# Altium PCB PDU-UV17.PcbDoc (part 1 of 2) (continued)
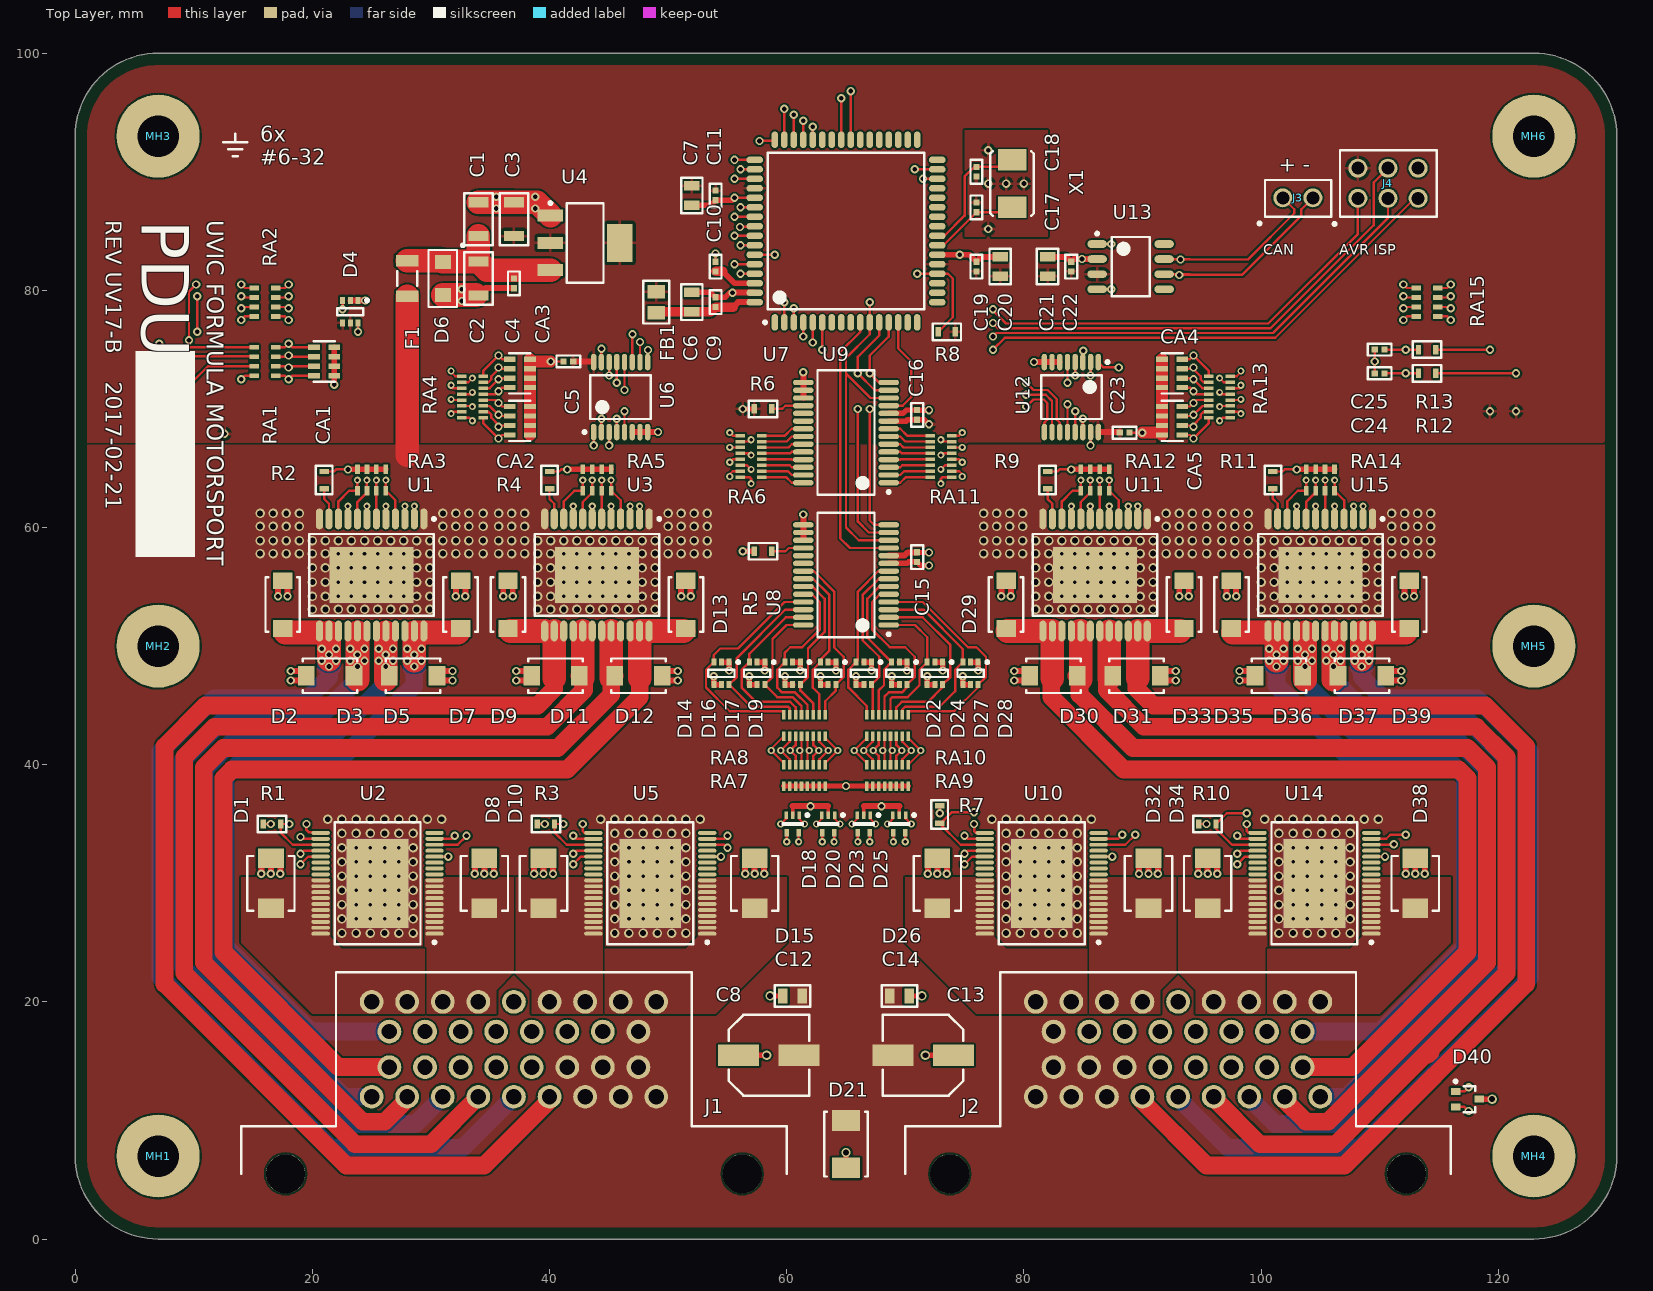
[diagram p0: Top Layer view]
## Footprints (in the part's own frame and the unit in brackets; to place one, negate y for a bottom-side part, rotate by r counter-clockwise, add the part's x,y. Pads: shape width x height; smd on the part's side, far side on the other; paste and mask are expansions set on the pad) (continued)
  silkscreen extent -3.35,-2.28 2.83,1.5, body extent -2.51,-1.3 2.57,1.2, height 7.13
MH-6-32 [mm] "#6-32 mounting hole"
  round 7 hole 3.5: 1(0,0)
QFN200P500X320X135-2N [mm] "QFN, 2-Leads, Body 5.00x3.20mm, Pitch 2.00mm, IPC Medium Density"
  rect 1.8x2.4 smd: 1(-2,0) 2(2,0)
  silkscreen extent -2.72,-1.82 2.72,1.82, body extent -2.58,-1.68 2.57,1.67, height 1.35
RES-0603-M [mm] "Chip Resistor, 2-Leads, Body 1.60x0.80mm, IPC High Density"
  rect 0.45x0.8 smd: 1(-0.725,0) 2(0.725,0)
  silkscreen extent -1.2,-0.7 1.2,0.7, body extent -0.85,-0.45 0.85,0.45, height 0.55
SM6T [mm] "Molded Capacitor, 2-Leads, Body 4.32x3.63mm, IPC Medium Density"
  rect 1.62x2.18 smd: 1(-2.11,0) 2(2.11,0)
  silkscreen extent -2.3,-2 2.3,2, body extent -2.52,-1.97 2.52,1.97, height 2.65
SODFL340X115-2N [mm] "SODFL, 2-Leads, Body 1.75x3.40mm, IPC Medium Density"
  rect 1.2x1.35 smd: 1(-1.4,0) 2(1.4,0)
  silkscreen extent -2.92,-1.2 2.4,1.83, body extent -1.7,-0.9 1.7,0.9, height 1.15
SOIC127P600X175-8M [mm] "SOIC, 8-Leads, Body 4.90x3.90mm, Pitch 1.27mm, IPC Low Density"
  oval 1.65x0.65 smd: 1(-2.825,1.905) 2(-2.825,0.635) 3(-2.825,-0.635) 4(-2.825,-1.905) 5(2.825,-1.905) 6(2.825,-0.635) 7(2.825,0.635) 8(2.825,1.905)
  silkscreen extent -2.95,-2.5 1.6,2.9, body extent -3,-2.5 3,2.5, height 1.75
SON127P500X135-2N [mm] "SON, 2-Leads, Body 3.20x5.00mm, Pitch 1.27mm, IPC Medium Density"
  rect 1.75x2.4 smd: 1(-1.995,0) 2(1.995,0)
  silkscreen extent -2.73,-1.83 2.73,1.83, body extent -2.58,-1.68 2.58,1.68, height 1.35
SOP65P780X185-28N [mm] "SOP, 28-Leads, Body 10.20x5.30mm, Pitch 0.65mm, IPC Medium Density"
  oval 1.75x0.45 smd: 1(-3.6,4.225) 2(-3.6,3.575) 3(-3.6,2.925) 4(-3.6,2.275) 5(-3.6,1.625) 6(-3.6,0.975) 7(-3.6,0.325) 8(-3.6,-0.325) 9(-3.6,-0.975) 10(-3.6,-1.625) 11(-3.6,-2.275) 12(-3.6,-2.925) 13(-3.6,-3.575) 14(-3.6,-4.225) 15(3.6,-4.225) 16(3.6,-3.575) 17(3.6,-2.925) 18(3.6,-2.275) 19(3.6,-1.625) 20(3.6,-0.975) 21(3.6,-0.325) 22(3.6,0.325) 23(3.6,0.975) 24(3.6,1.625) 25(3.6,2.275) 26(3.6,2.925) 27(3.6,3.575) 28(3.6,4.225)
  silkscreen extent -3.73,-5.25 2.4,5.25, body extent -3.9,-5.25 3.9,5.25, height 1.85
SOP80P1030X245_HS-25N [mm] "SOP, 24-Leads, Body 10.30x7.50mm, Pitch 0.80mm, Thermal Pad 7.10x4.70mm, IPC Medium Density"
  oval 1.75x0.6 smd: 1(-4.725,4.4) 2(-4.725,3.6) 3(-4.725,2.8) 4(-4.725,2) 5(-4.725,1.2) 6(-4.725,0.4) 7(-4.725,-0.4) 8(-4.725,-1.2) 9(-4.725,-2) 10(-4.725,-2.8) 11(-4.725,-3.6) 12(-4.725,-4.4) 13(4.725,-4.4) 14(4.725,-3.6) 15(4.725,-2.8) 16(4.725,-2) 17(4.725,-1.2) 18(4.725,-0.4) 19(4.725,0.4) 20(4.725,1.2) 21(4.725,2) 22(4.725,2.8) 23(4.725,3.6) 24(4.725,4.4)
  rect 4.7x7.1 smd: 25(0,0)
  Bottom Layer region: -2.4,-3.6 2.4,-3.6 2.4,3.6 -2.4,3.6
  silkscreen extent -4.85,-5.25 3.45,5.38, body extent -5.15,-5.25 5.15,5.25, height 2.45
SOT65P210X110-3N [mm] "SOT23, 3-Leads, Body 2.00x2.10mm, Pitch 0.65mm, IPC Medium Density"
  rect 0.8x0.6 smd: 1(-1,0.65) 2(-1,-0.65) 3(1,0)
  silkscreen extent -1.12,-1.1 0.67,1.62, body extent -1.15,-1.1 1.15,1.1, height 1.1
SOT65P210X110-6N [mm] "SOT23, 6-Leads, Body 2.00x2.10mm, Pitch 0.65mm, IPC Medium Density"
  rect 0.6x0.42 smd: 1(-0.95,0.65) 2(-0.95,0) 3(-0.95,-0.65) 4(0.95,-0.65) 5(0.95,0) 6(0.95,0.65)
  silkscreen extent -1.07,-1.1 0.3,1.54, body extent -1.1,-1.1 1.1,1.1, height 1.1
SOT230P700X180-4N [mm] "SOT223, 4-Leads, Body 6.50x7.00mm (avg), Pitch 2.30mm, IPC Medium Density"
  rect 2.15x1 smd: 1(-2.925,2.3) 2(-2.925,0) 3(-2.925,-2.3)
  rect 2.15x3.2 smd: 4(2.925,0)
  silkscreen extent -3.05,-3.35 1.55,3.47, body extent -3.5,-3.35 3.5,3.35, height 1.8
SOTFL50P160X60-5N [mm] "SOTFL, 5-Leads, Body 1.60x1.60mm, Pitch 0.50mm, IPC Medium Density"
  rect 0.65x0.3 smd: 1(-0.75,0.55) 2(-0.75,0) 3(-0.75,-0.55)
  rect 0.65x0.375 smd: 4(0.75,-0.5) 5(0.75,0.5)
  silkscreen extent -0.87,-0.85 0.05,1.36, body extent -0.8,-0.85 0.8,0.85, height 0.6
SSOP50P1030X265_HS-37N [mm] "SSOP, 36-Leads, Body 10.30x7.50mm, Pitch 0.50mm, Thermal Pad 7.50x5.20mm, IPC Medium Density"
  oval 1.55x0.33 smd: 1(-4.8,4.25) 2(-4.8,3.75) 3(-4.8,3.25) 4(-4.8,2.75) 5(-4.8,2.25) 6(-4.8,1.75) 7(-4.8,1.25) 8(-4.8,0.75) 9(-4.8,0.25) 10(-4.8,-0.25) 11(-4.8,-0.75) 12(-4.8,-1.25) 13(-4.8,-1.75) 14(-4.8,-2.25) 15(-4.8,-2.75) 16(-4.8,-3.25) 17(-4.8,-3.75) 18(-4.8,-4.25) 19(4.8,-4.25) 20(4.8,-3.75) 21(4.8,-3.25) 22(4.8,-2.75) 23(4.8,-2.25) 24(4.8,-1.75) 25(4.8,-1.25) 26(4.8,-0.75) 27(4.8,-0.25) 28(4.8,0.25) 29(4.8,0.75) 30(4.8,1.25) 31(4.8,1.75) 32(4.8,2.25) 33(4.8,2.75) 34(4.8,3.25) 35(4.8,3.75) 36(4.8,4.25)
  rect 5.2x7.5 smd: 37(0,0)
  Bottom Layer region: -2.7,-3.8 2.7,-3.8 2.7,3.8 -2.7,3.8
  silkscreen extent -4.93,-5.15 3.62,5.15, body extent -5.15,-5.15 5.15,5.15, height 2.65
TQFP80P1600X1600X120-64N [mm] "TQFP, 64-Leads, Body 14.00x14.00mm, Pitch 0.80mm, IPC Medium Density"
  oval 1.4x0.55 smd: 1(-7.7,6) 2(-7.7,5.2) 3(-7.7,4.4) 4(-7.7,3.6) 5(-7.7,2.8) 6(-7.7,2) 7(-7.7,1.2) 8(-7.7,0.4) 9(-7.7,-0.4) 10(-7.7,-1.2) 11(-7.7,-2) 12(-7.7,-2.8) 13(-7.7,-3.6) 14(-7.7,-4.4) 15(-7.7,-5.2) 16(-7.7,-6) 33(7.7,-6) 34(7.7,-5.2) 35(7.7,-4.4) 36(7.7,-3.6) 37(7.7,-2.8) 38(7.7,-2) 39(7.7,-1.2) 40(7.7,-0.4) 41(7.7,0.4) 42(7.7,1.2) 43(7.7,2) 44(7.7,2.8) 45(7.7,3.6) 46(7.7,4.4) 47(7.7,5.2) 48(7.7,6)
  oval 0.55x1.4 smd: 17(-6,-7.7) 18(-5.2,-7.7) 19(-4.4,-7.7) 20(-3.6,-7.7) 21(-2.8,-7.7) 22(-2,-7.7) 23(-1.2,-7.7) 24(-0.4,-7.7) 25(0.4,-7.7) 26(1.2,-7.7) 27(2,-7.7) 28(2.8,-7.7) 29(3.6,-7.7) 30(4.4,-7.7) 31(5.2,-7.7) 32(6,-7.7) 49(6,7.7) 50(5.2,7.7) 51(4.4,7.7) 52(3.6,7.7) 53(2.8,7.7) 54(2,7.7) 55(1.2,7.7) 56(0.4,7.7) 57(-0.4,7.7) 58(-1.2,7.7) 59(-2,7.7) 60(-2.8,7.7) 61(-3.6,7.7) 62(-4.4,7.7) 63(-5.2,7.7) 64(-6,7.7)
  silkscreen extent -7.82,-6.6 6.6,6.95, body extent -8,-8 8,8, height 1.2
TSOP65P640X120-16N [mm] "TSOP, 16-Leads, Body 5.00x4.40mm, Pitch 0.65mm, IPC Medium Density"
  oval 1.4x0.45 smd: 1(-2.95,2.275) 2(-2.95,1.625) 3(-2.95,0.975) 4(-2.95,0.325) 5(-2.95,-0.325) 6(-2.95,-0.975) 7(-2.95,-1.625) 8(-2.95,-2.275) 9(2.95,-2.275) 10(2.95,-1.625) 11(2.95,-0.975) 12(2.95,-0.325) 13(2.95,0.325) 14(2.95,0.975) 15(2.95,1.625) 16(2.95,2.275)
  silkscreen extent -3.07,-2.55 1.85,3.17, body extent -3.2,-2.55 3.2,2.55, height 1.2

## Part data
C1 C2: library part CC1206KKX7R8BB106, Manufacturer=Yageo, Manufacturer Series=CC, Package=1206, Supplier Part Number 1=311-1959-1-ND, Temperature Coefficient=X7R, Temperature Range="-55°C ~ 125°C", Tolerance=±10%, Voltage=25V, Component Type=Standard, Part Number=CC1206KKX7R8BB106, Supplier 1=Digi-Key
C3: library part CC1206KKX7R6BB226, Manufacturer=Yageo, Manufacturer Series=CC, Package=1206, Supplier Part Number 1=311-1954-1-ND, Temperature Coefficient=X7R, Temperature Range="-55°C ~ 125°C", Tolerance=±10%, Voltage=10V, Component Type=Standard, Part Number=CC1206KKX7R6BB226, Supplier 1=Digi-Key
C4: library part CC0402KRX7R8BB104, Manufacturer=Yageo, Manufacturer Series=CC, Package=0402, Supplier Part Number 1=311-2077-1-ND, Temperature Coefficient=X7R, Temperature Range="-55°C ~ 125°C", Tolerance=±10%, Voltage=25V, Component Type=Standard, Part Number=CC0402KRX7R8BB104, Supplier 1=Digi-Key
C5 C9 C10 C11 C15 C16 C19 C22 C23: library part CC0402KRX7R7BB104, Manufacturer=Yageo, Manufacturer Series=CC, Package=0402, Supplier Part Number 1=311-1338-1-ND, Temperature Coefficient=X7R, Temperature Range="-55°C ~ 125°C", Tolerance=±10%, Voltage=16V, Component Type=Standard, Part Number=CC0402KRX7R7BB104, Supplier 1=Digi-Key
C6 C7 C20 C21: library part CC0805KKX7R7BB105, Manufacturer=Yageo, Manufacturer Series=CC, Package=0805, Supplier Part Number 1=311-1365-1-ND, Temperature Coefficient=X7R, Temperature Range="-55°C ~ 125°C", Tolerance=±10%, Voltage=16V, Component Type=Standard, Part Number=CC0805KKX7R7BB105, Supplier 1=Digi-Key
C8 C13: Supplier Part Number 1=PCE3836CT-ND, Supplier 1=Digi-Key
C12 C14: library part CC0805KRX7RYBB102, Manufacturer=Yageo, Manufacturer Series=CC, Package=0805, Supplier Part Number 1=311-1470-1-ND, Temperature Coefficient=X7R, Temperature Range="-55°C ~ 125°C", Tolerance=±10%, Voltage=250V, Component Type=Standard, Part Number=CC0805KRX7RYBB102, Supplier 1=Digi-Key
C17 C18: library part CC0402JRNPO9BN120, Manufacturer=Yageo, Manufacturer Series=CC, Package=0402, Supplier Part Number 1=311-1016-1-ND, Temperature Coefficient="C0G, NP0", Temperature Range="-55°C ~ 125°C", Tolerance=±5%, Voltage=50V, Component Type=Standard, Part Number=CC0402JRNPO9BN120, Supplier 1=Digi-Key
C24 C25: library part CC0402KRX7R7BB103, Manufacturer=Yageo, Manufacturer Series=CC, Package=0402, Supplier Part Number 1=311-1042-1-ND, Temperature Coefficient=X7R, Temperature Range="-55°C ~ 125°C", Tolerance=±10%, Voltage=16V, Component Type=Standard, Part Number=CC0402KRX7R7BB103, Supplier 1=Digi-Key
D1 D8 D10 D15 D26 D32 D34 D38: Supplier Part Number 1=497-3507-1-ND, Supplier 1=Digi-Key
D6: Supplier Part Number 1=BZT52HC30WF-7DICT-ND, Supplier 1=Digi-Key
FB1: Supplier Part Number 1=490-10664-1-ND, Supplier 1=Digi-Key
J1 J2: "Superseal 34-way right angle PCB header"
J3: "2.54mm Header 1x2-Pin", Supplier Part Number 1=952-2262-ND, Supplier 1=Digi-Key
J4: "2.54mm Header 2x3-Pin", Supplier Part Number 1=952-2121-ND, Supplier 1=Digi-Key
MH1 MH2 MH3 MH4 MH5 MH6: library part MH-6-32
R1 R3 R5 R6 R7 R8 R10: library part RC0603FR-071KL, Manufacturer=Yageo, Manufacturer Series=RC, Package=0603, Power="1/10 W", Supplier Part Number 1=311-1.00KHRCT-ND, Temperature Coefficient=±100ppm/°C, Temperature Range="-55°C ~ 155°C", Tolerance=1%, Component Type=Standard, Part Number=RC0603FR-071KL, Supplier 1=Digi-Key
R2 R4 R9 R11 R12 R13: library part RC0603FR-0710KL, Manufacturer=Yageo, Manufacturer Series=RC, Package=0603, Power="1/10 W", Supplier Part Number 1=311-10.0KHRCT-ND, Temperature Coefficient=±100ppm/°C, Temperature Range="-55°C ~ 155°C", Tolerance=1%, Component Type=Standard, Part Number=RC0603FR-0710KL, Supplier 1=Digi-Key
U1 U3 U11 U15: Supplier Part Number 1=497-11715-1-ND, Supplier 1=Digi-Key
U4: Supplier Part Number 1=NCV1117ST50T3GOSCT-ND, Supplier 1=Digi-Key
U7: Supplier Part Number 1=AT90CAN32-15ATCT-ND, Supplier 1=Digi-Key
U13: "CAN transceiver", Supplier Part Number 1=296-25836-1-ND, Supplier 1=Digi-Key
X1: "SMD Crystal Oscillator 12 pF", Load Capacitance=12pF, Supplier Part Number 1=887-1747-1-ND, Supplier 1=Digi-Key

## Via types
v1: diameter 0.8, hole 0.5, Top Layer to Bottom Layer, tented both sides, 400 vias
v2: diameter 0.7, hole 0.4, Top Layer to Bottom Layer, tented both sides, 313 vias
v3: diameter 0.6, hole 0.3, Top Layer to Bottom Layer, tented both sides, 196 vias
v4: diameter 0.6, hole 0.3, Top Layer to Bottom Layer, 96 vias

## Nets (pads, with @x,y where several pads share a name; then routed paths per layer and width w, separated by ;. In a path a pad name is that pad's centre, name@x,y a point inside that pad or via, vN(x,y) a via of type N, cw(c..) or ccw(c..) an arc to the next point about the centre after c; other vN are vias at no path point)
+5V: C3.2 C5.2 C7.1 C11.2 C15.2 C16.2 C19.2 C20.1 C21.1 C22.2 C23.2 D4.4 D4.5 D14.4 D14.5 D16.4 D16.5 D17.4 D17.5 D19.4 D19.5 D22.4 D22.5 D24.4 D24.5 D27.4 D27.5 D28.4 D28.5 FB1.1 J4.2 R5.1 R6.1 R8.1 RA7.9 RA7.10 RA7.11 RA7.12 RA7.13 RA7.14 RA7.15 RA7.16 RA9.9 RA9.10 RA9.11 RA9.12 RA9.13 RA9.14 RA9.15 RA9.16 U2.14 U2.19 U4.2 U4.4 U5.14 U5.19 U6.16 U7.21 U7.52 U8.9 U9.9 U10.14 U10.19 U12.16 U13.3 U14.14 U14.19 | length 427.5
  Top Layer w0.2: v2(19.5,35) 19.5,34.5 19.686,34.314 20.636,34.314 U2.19@20.7,34.25 ; U2.14@30.3,32.25 v2(31.45,32.25) ; v2(42.8,35) 42.8,34.4 42.95,34.25 U5.19@43.7,34.25 ; U5.14@53.3,32.25 v2(54.45,32.25) ; v2(75.8,35) 75.8,34.4 75.95,34.25 U10.19@76.7,34.25 ; U10.14@86.3,32.25 v2(87.45,32.25) ; v2(98.8,35) 98.8,34.4 98.95,34.25 U14.19@99.7,34.25 ; U14.14@109.3,32.25 v2(110.45,32.25)
  Top Layer w0.45: v2(53.85,47.45) D14.4@53.85,46.75 D14.5@54.5,46.75 ; v2(56.285,58) R5.1@57.275,58 ; v2(56.285,70) R6.1@57.275,70 ; v2(56.85,47.45) D16.4@56.85,46.75 D16.5@57.5,46.75 ; RA7.9@59.75,38.2 RA7.10@60.25,38.2 RA7.11@60.75,38.2 RA7.12@61.25,38.2 RA7.13@61.75,38.2 RA7.14@62.25,38.2 RA7.15@62.75,38.2 RA7.16@63.25,38.2 RA9.9@66.75,38.2 RA9.12@68.25,38.2 RA9.15@69.75,38.2 RA9.16@70.25,38.2 ; v2(59.85,47.45) D17.4@59.85,46.75 D17.5@60.5,46.75 ; v2(62.85,47.45) D19.4@62.85,46.75 D19.5@63.5,46.75 ; v2(65.85,47.45) D22.4@65.85,46.75 D22.5@66.5,46.75 ; U8.9@68.6,56.975 70.175,56.975 70.3,57.1 70.99,57.1 C15.2@71,57.09 ; U9.9@68.6,68.975 70.075,68.975 70.2,69.1 70.99,69.1 C16.2@71,69.09 71.61,69.09 v2(72,68.7) ; v2(68.85,47.45) D24.4@68.85,46.75 D24.5@69.5,46.75 ; C15.2@71.01,57.08 71.29,56.8 v2(72,56.8) ; v2(71.85,47.45) D27.4@71.85,46.75 D27.5@72.5,46.75 ; v2(74.85,47.45) D28.4@74.85,46.75 D28.5@75.5,46.75
  Top Layer w0.5: C5.2@42,74 U6.16@43.675,74 ; U12.16@86.275,68.05 88.04,68.05 C23.2@88.09,68
  Signal Layer 1 w0.2: v2(8,67.9) 8.2,67.9 8.4,67.7 8.4,57.5 12.1,53.8 12.1,33.1 21.6,23.6 28.9,23.6 31.45,26.15 v2(31.45,32.25) ; v2(12.6,67.9) 12.2,67.9 12,67.7 12,59.1 15.7,55.4 15.7,42.3 17.7,40.3 32.1,40.3 35.8,36.6 42.8,36.6 ; v2(19.5,35) 19.5,34.351 20.2,33.651 20.2,25 ; v2(42.8,35) 42.8,36.6 ; v2(54.45,32.25) 54,32.7 54,35.4 52.8,36.6 42.8,36.6 ; v2(75.8,35) 76,34.8 76,27.1 78.2,24.9 86.2,24.9 87.45,26.15 v2(87.45,32.25) v2(87.45,32.25) 87.448,35.048 90.1,37.7 112,37.7 115.6,41.3 115.6,54.2 119.6,58.2 119.6,69.6 ; v2(98.8,35) v2@98.8,34.95 ; v2@98.85,35 v2@98.8,34.95 ; v2(121.5,69.8) 121.4,69.8 121.2,69.6 121.2,57.4 117.2,53.4 117.2,40.5 112.1,35.4 111.8,35.4 110.45,34.05 v2(110.45,32.25) 110.45,26.75 108.1,24.4 101.7,24.4 98.8,27.3 v2@98.8,34.95
  Signal Layer 1 w0.45: v2(53.85,47.45) 54.4,46.9 56.3,46.9 v2(56.85,47.45) 57.4,46.9 59.3,46.9 v2(59.85,47.45) 60.4,46.9 62.3,46.9 v2(62.85,47.45) 63.4,46.9 65,46.9 ; v2(56.285,58) 58.3,60.015 58.3,67.985 v2(56.285,70) ; v2(65,38.2) 65,46.9 ; v2(72,56.8) 65.85,50.65 v2(65.85,47.45) ; v2(74.85,47.45) 74.3,46.9 72.4,46.9 v2(71.85,47.45) 71.3,46.9 69.4,46.9 v2(68.85,47.45) 68.3,46.9 66.4,46.9 v2(65.85,47.45) ; 65,46.9 65.3,46.9 v2(65.85,47.45)
  Signal Layer 1 w0.5: v2(72,56.8) 72,56.837 71,57.837 71,68.1 71.6,68.7 v2(72,68.7)
  other v2: 119.3,69.8
+5V_A: C6.1 C9.2 FB1.2 U7.64 | length 8.7
  Top Layer w0.5: 55.49,78.59 55.9,79 U7.64@57.3,79
  Top Layer w0.8: FB1.2@49,78.115 49.06,78.175 C6.1@52,78.175 53.585,78.175 C9.2@54,78.59 55.49,78.59
+VBAT: C8.2 C12.1 C13.2 C14.1 D21.1 F1.1 J1.17 J1.23 J1.24 J1.25 J1.32 J1.33 J1.34 J2.10 J2.18 J2.19 J2.20 J2.26 J2.27 J2.28 U1.1 U1.12 U1.25 U2.37 U3.1 U3.12 U3.25 U5.37 U10.37 U11.1 U11.12 U11.25 U14.37 U15.1 U15.12 U15.25 | length 13.4
  Top Layer w2: 28,66.1 F1.1@28,79.5
  other v1: 22.5,25.8 23.7,25.8 24.9,25.8 26.1,25.8 27.3,25.8 28.5,25.8 45.5,25.8 46.7,25.8 47.9,25.8 49.1,25.8 50.3,25.8 51.5,25.8 78.5,25.8 79.7,25.8 80.9,25.8 82.1,25.8 83.3,25.8 84.5,25.8 101.5,25.8 102.7,25.8 103.9,25.8 105.1,25.8 106.3,25.8 107.5,25.8 22.5,27 28.5,27 45.5,27 51.5,27 78.5,27 84.5,27 101.5,27 107.5,27 22.5,28.2 28.5,28.2 45.5,28.2 51.5,28.2 78.5,28.2 84.5,28.2 101.5,28.2 107.5,28.2 22.5,29.4 28.5,29.4 45.5,29.4 51.5,29.4 78.5,29.4 84.5,29.4 101.5,29.4 107.5,29.4 22.5,30.6 28.5,30.6 45.5,30.6 51.5,30.6 78.5,30.6 84.5,30.6 101.5,30.6 107.5,30.6 22.5,31.8 28.5,31.8 45.5,31.8 51.5,31.8 78.5,31.8 84.5,31.8 101.5,31.8 107.5,31.8 22.5,33 28.5,33 45.5,33 51.5,33 78.5,33 84.5,33 101.5,33 107.5,33 22.5,34.2 23.7,34.2 24.9,34.2 26.1,34.2 27.3,34.2 28.5,34.2 45.5,34.2 46.7,34.2 47.9,34.2 49.1,34.2 50.3,34.2 51.5,34.2 78.5,34.2 79.7,34.2 80.9,34.2 82.1,34.2 83.3,34.2 84.5,34.2 101.5,34.2 102.7,34.2 103.9,34.2 105.1,34.2 106.3,34.2 107.5,34.2 21.3,35.4 22.5,35.4 23.7,35.4 24.9,35.4 26.1,35.4 27.3,35.4 28.5,35.4 29.7,35.4 30.9,35.4 44.3,35.4 45.5,35.4 46.7,35.4 47.9,35.4 49.1,35.4 50.3,35.4 51.5,35.4 52.7,35.4 77.3,35.4 78.5,35.4 79.7,35.4 80.9,35.4 82.1,35.4 83.3,35.4 84.5,35.4 85.7,35.4 100.3,35.4 101.5,35.4 102.7,35.4 103.9,35.4 105.1,35.4 106.3,35.4 107.5,35.4 108.7,35.4 109.9,35.4 20,53.1 21.1,53.1 22.2,53.1 23.3,53.1 24.4,53.1 25.5,53.1 26.6,53.1 27.7,53.1 28.8,53.1 29.9,53.1 39,53.1 40.1,53.1 41.2,53.1 42.3,53.1 43.4,53.1 44.5,53.1 45.6,53.1 46.7,53.1 47.8,53.1 48.9,53.1 81,53.1 82.1,53.1 83.2,53.1 84.3,53.1 85.4,53.1 86.5,53.1 87.6,53.1 88.7,53.1 89.8,53.1 90.9,53.1 100,53.1 101.1,53.1 102.2,53.1 103.3,53.1 104.4,53.1 105.5,53.1 106.6,53.1 107.7,53.1 108.8,53.1 109.9,53.1 20,54.2 21.1,54.2 28.8,54.2 29.9,54.2 39,54.2 40.1,54.2 47.8,54.2 48.9,54.2 81,54.2 82.1,54.2 89.8,54.2 90.9,54.2 100,54.2 101.1,54.2 108.8,54.2 109.9,54.2 20,55.4 21.1,55.4 28.8,55.4 29.9,55.4 39,55.4 40.1,55.4 47.8,55.4 48.9,55.4 81,55.4 82.1,55.4 89.8,55.4 90.9,55.4 100,55.4 101.1,55.4 108.8,55.4 109.9,55.4 20,56.6 21.1,56.6 28.8,56.6 29.9,56.6 39,56.6 40.1,56.6 47.8,56.6 48.9,56.6 81,56.6 82.1,56.6 89.8,56.6 90.9,56.6 100,56.6 101.1,56.6 108.8,56.6 109.9,56.6 15.6,57.8 16.7,57.8 17.8,57.8 18.9,57.8 20,57.8 21.1,57.8 28.8,57.8 29.9,57.8 31,57.8 32.1,57.8 33.2,57.8 34.4,57.8 35.7,57.8 36.8,57.8 37.9,57.8 39,57.8 40.1,57.8 47.8,57.8 48.9,57.8 50,57.8 51.1,57.8 52.2,57.8 53.3,57.8 76.6,57.8 77.7,57.8 78.8,57.8 79.9,57.8 81,57.8 82.1,57.8 89.8,57.8 90.9,57.8 92,57.8 93.1,57.8 94.2,57.8 95.4,57.8 96.7,57.8 97.8,57.8 98.9,57.8 100,57.8 101.1,57.8 108.8,57.8 109.9,57.8 111,57.8 112.1,57.8 113.2,57.8 114.3,57.8 15.6,58.9 16.7,58.9 17.8,58.9 18.9,58.9 20,58.9 21.1,58.9 22.2,58.9 23.3,58.9 24.4,58.9 25.5,58.9 26.6,58.9 27.7,58.9 28.8,58.9 29.9,58.9 31,58.9 32.1,58.9 33.2,58.9 34.4,58.9 35.7,58.9 36.8,58.9 37.9,58.9 39,58.9 40.1,58.9 41.2,58.9 42.3,58.9 43.4,58.9 44.5,58.9 45.6,58.9 46.7,58.9 47.8,58.9 48.9,58.9 50,58.9 51.1,58.9 52.2,58.9 53.3,58.9 76.6,58.9 77.7,58.9 78.8,58.9 79.9,58.9 81,58.9 82.1,58.9 83.2,58.9 84.3,58.9 85.4,58.9 86.5,58.9 87.6,58.9 88.7,58.9 89.8,58.9 90.9,58.9 92,58.9 93.1,58.9 94.2,58.9 95.4,58.9 96.7,58.9 97.8,58.9 98.9,58.9 100,58.9 101.1,58.9 102.2,58.9 103.3,58.9 104.4,58.9 105.5,58.9 106.6,58.9 107.7,58.9 108.8,58.9 109.9,58.9 111,58.9 112.1,58.9 113.2,58.9 114.3,58.9 15.6,60.1 16.7,60.1 17.8,60.1 18.9,60.1 31,60.1 32.1,60.1 33.2,60.1 34.4,60.1 35.7,60.1 36.8,60.1 37.9,60.1 50,60.1 51.1,60.1 52.2,60.1 53.3,60.1 76.6,60.1 77.7,60.1 78.8,60.1 79.9,60.1 92,60.1 93.1,60.1 94.2,60.1 95.4,60.1 96.7,60.1 97.8,60.1 98.9,60.1 111,60.1 112.1,60.1 113.2,60.1 114.3,60.1 15.6,61.2 16.7,61.2 17.8,61.2 18.9,61.2 31,61.2 32.1,61.2 33.2,61.2 34.4,61.2 35.7,61.2 36.8,61.2 37.9,61.2 50,61.2 51.1,61.2 52.2,61.2 53.3,61.2 76.6,61.2 77.7,61.2 78.8,61.2 79.9,61.2 92,61.2 93.1,61.2 94.2,61.2 95.4,61.2 96.7,61.2 97.8,61.2 98.9,61.2 111,61.2 112.1,61.2 113.2,61.2 114.3,61.2
  other v3: 22.2,54.2 23.3,54.2 24.4,54.2 25.5,54.2 26.6,54.2 27.7,54.2 41.2,54.2 42.3,54.2 43.4,54.2 44.5,54.2 45.6,54.2 46.7,54.2 83.2,54.2 84.3,54.2 85.4,54.2 86.5,54.2 87.6,54.2 88.7,54.2 102.2,54.2 103.3,54.2 104.4,54.2 105.5,54.2 106.6,54.2 107.7,54.2 22.2,55.4 23.3,55.4 24.4,55.4 25.5,55.4 26.6,55.4 27.7,55.4 41.2,55.4 42.3,55.4 43.4,55.4 44.5,55.4 45.6,55.4 46.7,55.4 83.2,55.4 84.3,55.4 85.4,55.4 86.5,55.4 87.6,55.4 88.7,55.4 102.2,55.4 103.3,55.4 104.4,55.4 105.5,55.4 106.6,55.4 107.7,55.4 22.2,56.6 23.3,56.6 24.4,56.6 25.5,56.6 26.6,56.6 27.7,56.6 41.2,56.6 42.3,56.6 43.4,56.6 44.5,56.6 45.6,56.6 46.7,56.6 83.2,56.6 84.3,56.6 85.4,56.6 86.5,56.6 87.6,56.6 88.7,56.6 102.2,56.6 103.3,56.6 104.4,56.6 105.5,56.6 106.6,56.6 107.7,56.6 22.2,57.8 23.3,57.8 24.4,57.8 25.5,57.8 26.6,57.8 27.7,57.8 41.2,57.8 42.3,57.8 43.4,57.8 44.5,57.8 45.6,57.8 46.7,57.8 83.2,57.8 84.3,57.8 85.4,57.8 86.5,57.8 87.6,57.8 88.7,57.8 102.2,57.8 103.3,57.8 104.4,57.8 105.5,57.8 106.6,57.8 107.7,57.8
  other v4: 23.7,27 24.9,27 26.1,27 27.3,27 46.7,27 47.9,27 49.1,27 50.3,27 79.7,27 80.9,27 82.1,27 83.3,27 102.7,27 103.9,27 105.1,27 106.3,27 23.7,28.2 24.9,28.2 26.1,28.2 27.3,28.2 46.7,28.2 47.9,28.2 49.1,28.2 50.3,28.2 79.7,28.2 80.9,28.2 82.1,28.2 83.3,28.2 102.7,28.2 103.9,28.2 105.1,28.2 106.3,28.2 23.7,29.4 24.9,29.4 26.1,29.4 27.3,29.4 46.7,29.4 47.9,29.4 49.1,29.4 50.3,29.4 79.7,29.4 80.9,29.4 82.1,29.4 83.3,29.4 102.7,29.4 103.9,29.4 105.1,29.4 106.3,29.4 23.7,30.6 24.9,30.6 26.1,30.6 27.3,30.6 46.7,30.6 47.9,30.6 49.1,30.6 50.3,30.6 79.7,30.6 80.9,30.6 82.1,30.6 83.3,30.6 102.7,30.6 103.9,30.6 105.1,30.6 106.3,30.6 23.7,31.8 24.9,31.8 26.1,31.8 27.3,31.8 46.7,31.8 47.9,31.8 49.1,31.8 50.3,31.8 79.7,31.8 80.9,31.8 82.1,31.8 83.3,31.8 102.7,31.8 103.9,31.8 105.1,31.8 106.3,31.8 23.7,33 24.9,33 26.1,33 27.3,33 46.7,33 47.9,33 49.1,33 50.3,33 79.7,33 80.9,33 82.1,33 83.3,33 102.7,33 103.9,33 105.1,33 106.3,33
+VBAT_PROT: C1.2 C2.2 C4.2 D6.1 F1.2 U4.3 | length 14.6
  Top Layer w2: F1.2@28,82.5 30.9,82.5 D6.1@31,82.4 31.025,82.425 C2.2@34,82.425 ; C1.2@34,84.575 C2.2@34,82.425 ; U4.3@40.075,81.7 34.725,81.7 C2.2@34,82.425
CAN_H: D40.1 J2.12 J3.1 U13.7 | length 171.3
  Top Layer w0.2: U13.7@91.825,82.635 93.985,82.635 93.952,82.602 ; v2(93.2,82.6) 93.95,82.6 93.952,82.602 ; J3.1@101.83,87.8 102.8,86.83 102.8,86.5 98.902,82.602 93.952,82.602 ; D40.1@116.4,12.45 117.15,12.45 v2(117.5,12.8)
  Signal Layer 1 w0.2: 86.666,15.8 86.714,15.848 ; J2.12@88.5,17.5 87.6,17.5 87.152,17.052 87.152,16.286 86.714,15.848 ; v2@93,82.6 v2(93.2,82.6) ; J3.1@101.83,87.8 102,87.8 103,86.8 103,85.934 105.334,83.6 119.6,83.6 123.817,79.383 123.817,69.183 122.7,68.066 122.7,56.366 118.6,52.266 118.6,13.9 v2(117.5,12.8) 116.7,12 112.1,12 106.4,6.3 81.4,6.3 78.7,9 78.7,14.234 80.314,15.848 86.714,15.848
CAN_L: D40.2 J2.11 J3.2 U13.6 | length 175
  Top Layer w0.2: U13.6@91.825,81.365 93.985,81.365 ; v2(93.1,81.3) 93.92,81.3 ; 94,81.35 93.985,81.365 ; J3.2@104.37,87.8 103.4,86.83 103.4,86.3 98.4,81.3 93.92,81.3 ; D40.2@116.4,11.15 117.15,11.15 v2(117.5,10.8) ; 93.92,81.3 93.985,81.365
  Signal Layer 1 w0.2: J2.11@85.5,17.5 86.4,17.5 86.8,17.1 86.8,16.5 86.5,16.2 80.1,16.2 78.3,14.4 78.3,8.902 81.302,5.9 106.566,5.9 112.266,11.6 116.7,11.6 v2(117.5,10.8) 119,12.3 119,52.1 123.1,56.2 123.1,67.9 124.217,69.017 124.217,79.549 119.766,84 105.5,84 103.4,86.1 103.4,86.8 104.37,87.77 J3.2@104.37,87.8
CAN_RX: U7.31 U13.4 | length 24.5
  Top Layer w0.2: v2(70.8,90.2) U7.31@72.7,90.2 ; U13.4@86.175,80.095 v2(87.375,80.095)
  Signal Layer 1 w0.2: v2(70.8,90.2) 70.8,89.1 79.805,80.095 v2(87.375,80.095)
CAN_TX: U7.30 U13.1 | length 20.6
  Top Layer w0.2: v2(71.5,89.4) U7.30@72.7,89.4 ; U13.1@86.175,83.905 v2(87.375,83.905)
  Signal Layer 1 w0.2: v2(71.5,89.4) 76.995,83.905 v2(87.375,83.905)
GND: C1.1 C2.1 C3.1 C4.1 C5.1 C6.2 C7.2 C8.1 C9.1 C10.1 C11.1 C12.2 C13.1 C14.2 C15.1 C16.1 C17.1 C18.1 C19.1 C20.2 C21.2 C22.1 C23.1 C24.1 C25.1 CA1.1 CA1.2 CA1.3 CA1.4 CA2.1 CA2.2 CA2.3 CA2.4 CA3.1 CA3.2 CA3.3 CA3.4 CA4.1 CA4.2 CA4.3 CA4.4 CA5.5 CA5.6 CA5.7 CA5.8 D1.1 D2.1 D3.1 D4.1 D4.2 D5.1 D6.2 D7.1 D8.1 D9.1 D10.1 D11.1 D12.1 D13.1 D14.1 D14.2 D15.1 D16.1 D16.2 D17.1 D17.2 D18.2 D19.1 D19.2 D20.2 D21.2 D22.1 D22.2 D23.2 D24.1 D24.2 D25.2 D26.1 D27.1 D27.2 D28.1 D28.2 D29.1 D30.1 D31.1 D32.1 D33.1 D34.1 D35.1 D36.1 D37.1 D38.1 D39.1 D40.3 J1.5 J2.5 J4.6 MH1.1 MH2.1 MH3.1 MH4.1 MH5.1 MH6.1 R1.1 R2.1 R3.1 R4.1 R7.1 R9.1 R10.1 R11.1 RA3.1 RA3.2 RA3.3 RA3.4 RA5.1 RA5.2 RA5.3 RA5.4 RA12.1 RA12.2 RA12.3 RA12.4 RA14.1 RA14.2 RA14.3 RA14.4 U1.2 U2.20 U3.2 U4.1 U5.20 U6.6 U6.7 U6.8 U7.22 U7.53 U7.63 U8.10 U8.15 U8.16 U8.17 U9.10 U9.15 U9.16 U9.17 U10.20 U11.2 U12.6 U12.7 U12.8 U13.2 U14.20 U15.2 | length 212.5
  Top Layer w0.2: R1.1@15.875,35 v2(16.5,35) ; v2(19,33.9) 19.15,33.75 U2.20@20.7,33.75 ; R2.1@21,64.725 21.825,64.725 22,64.9 v2(23,64.9) ; U1.2@28.6,60.725 v3(28.6,61.8) ; R3.1@38.975,35 v2(39.6,35) ; R4.1@40,64.725 40.825,64.725 41,64.9 v2(41.5,64.9) ; v2(40.105,74) C5.1@41.18,74 ; v2(42,34) 42.25,33.75 U5.20@43.7,33.75 ; U3.2@47.6,60.725 v3(47.6,61.8) ; C10.1@54,82.41 v2(54,83.1) ; v2(55.6,87.8) U7.53@57.3,87.8 ; v2(72.9,35.9) R7.1@72.9,36.525 ; v2(75,34) 75.25,33.75 U10.20@76.7,33.75 ; R9.1@82,64.725 82.825,64.725 83,64.9 v2(84,64.9) ; C23.1@88.91,68 v2(89.985,68) ; U11.2@89.6,60.725 v3(89.6,61.8) ; R10.1@94.75,35 v2(95.4,35) ; v2(98,34) 98.25,33.75 U14.20@99.7,33.75 ; R11.1@101,64.725 101.825,64.725 102,64.9 v2(103,64.9) ; U15.2@108.6,60.725 v3(108.6,61.8) ; C24.1@109.59,73 v2(109.59,74) C25.1@109.59,75
  Top Layer w0.3: D18.2@60.5,35.75 60.5,36.5 ; D20.2@63.5,35.75 63.5,36.5 ; D23.2@66.5,35.75 66.5,36.5 ; D25.2@69.5,35.75 69.5,36.5
  Top Layer w0.45: v2(23,64.9) RA3.4@23.8,64.9 RA3.3@24.6,64.9 RA3.2@25.4,64.9 RA3.1@26.2,64.9 ; v2(41.5,64.9) RA5.4@42.8,64.9 RA5.3@43.6,64.9 RA5.2@44.4,64.9 RA5.1@45.2,64.9 ; C6.2@52,79.825 53.585,79.825 C9.1@54,79.41 54.81,79.41 55.2,79.8 v2(55.424,79.8) ; C7.2@52,87.175 53.585,87.175 C11.1@54,87.59 55.39,87.59 v2(55.6,87.8) ; D14.2@54.5,48.65 D14.1@55.15,48.65 v2(55.15,47.95) ; C8.1@55.95,15.5 v1(58.3,15.5) ; D16.2@57.5,48.65 D16.1@58.15,48.65 v2(58.15,47.95) ; v1(58.6,20.5) C12.2@59.675,20.5 ; D17.2@60.5,48.65 D17.1@61.15,48.65 v2(61.15,47.95) ; D19.2@63.5,48.65 D19.1@64.15,48.65 v2(64.15,47.95) ; D21.2@65,6.005 v1(65,7.3) ; D22.2@66.5,48.65 D22.1@67.15,48.65 v2(67.15,47.95) ; U9.10@68.6,69.625 69.8,69.625 70.085,69.91 C16.1@71,69.91 ; D24.2@69.5,48.65 D24.1@70.15,48.65 v2(70.15,47.95) ; C14.2@70.325,20.5 v1(71.4,20.5) ; C15.1@71.01,57.9 v2(72,57.9) ; C16.1@71.01,69.9 v2(72,69.9) ; v1(71.7,15.5) C13.1@74.05,15.5 ; D27.2@72.5,48.65 D27.1@73.15,48.65 v2(73.15,47.95) ; D28.2@75.5,48.65 D28.1@76.15,48.65 v2(76.15,47.95) ; v2(84,64.9) RA12.4@84.8,64.9 RA12.3@85.6,64.9 RA12.2@86.4,64.9 RA12.1@87.2,64.9 ; v2(103,64.9) RA14.4@103.8,64.9 RA14.3@104.6,64.9 RA14.2@105.4,64.9 RA14.1@106.2,64.9 ; D40.3@118.4,11.8 v1(119.475,11.8)
  Top Layer w0.5: v2(15.7,30.8) D1.1@15.7,32.11 ; v2(16.5,30.8) D1.1@16.5,32.11 ; v2(17.1,54.215) D2.1@17.1,55.525 ; v2(17.3,30.8) D1.1@17.3,32.11 ; v2(17.9,54.215) D2.1@17.9,55.525 ; v2(18.185,47.1) D3.1@19.495,47.1 ; v2(18.185,47.9) D3.1@19.495,47.9 ; v2(21.85,72.05) CA1.1@21.85,72.8 CA1.2@21.85,73.6 CA1.3@21.85,74.4 CA1.4@21.85,75.2 ; D4.2@23.2,79.15 D4.1@23.85,79.15 v2(24.45,79.15) ; D5.1@30.505,47.1 v2(31.815,47.1) ; D5.1@30.505,47.9 v2(31.815,47.9) ; v2(32.1,54.215) D7.1@32.1,55.525 ; v2(32.9,54.215) D7.1@32.9,55.525 ; v2(33.7,30.8) D8.1@33.7,32.11 ; C2.1@34,79.575 34.605,80.18 C4.1@37,80.18 ; v2(34.5,30.8) D8.1@34.5,32.11 ; v2(35.3,30.8) D8.1@35.3,32.11 ; v2(36.1,54.215) D9.1@36.1,55.525 ; v2(36.9,54.215) D9.1@36.9,55.525 ; v2(37.185,47.1) D11.1@38.495,47.1 ; v2(37.185,47.9) D11.1@38.495,47.9 ; v2(38.7,30.8) D10.1@38.7,32.11 ; v2(39.5,30.8) D10.1@39.5,32.11 ; v2(40.3,30.8) D10.1@40.3,32.11 ; U6.6@46.975,68.05 v2(49.15,68.05) ; D12.1@49.505,47.1 v2(50.815,47.1) ; D12.1@49.505,47.9 v2(50.815,47.9) ; v2(51.1,54.215) D13.1@51.1,55.525 ; v2(51.9,54.215) D13.1@51.9,55.525 ; v2(55.424,79.8) U7.63@57.3,79.8 ; v2(56.5,30.8) D15.1@56.5,32.11 ; v2(57.3,30.8) D15.1@57.3,32.11 ; v2(58.1,30.8) D15.1@58.1,32.11 ; 60.5,36.5 63.5,36.5 ; U8.17@61.4,58.925 U8.16@61.4,59.575 U8.15@61.4,60.225 v2(61.4,61.1) ; U9.17@61.4,70.925 v2(61.4,73.1) ; 66.5,36.5 69.5,36.5 ; U8.10@68.6,57.625 69.925,57.625 70.21,57.91 C15.1@71,57.91 ; v2(71.9,30.8) D26.1@71.9,32.11 ; v2(72.7,30.8) D26.1@72.7,32.11 ; U7.22@72.7,83 75.41,83 C19.1@76,82.41 76.415,82.825 C20.2@78,82.825 ; v2(73.5,30.8) D26.1@73.5,32.11 ; v2(78.1,54.215) D29.1@78.1,55.525 ; v2(78.9,54.215) D29.1@78.9,55.525 ; v2(79.185,47.1) D30.1@80.495,47.1 ; v2(79.185,47.9) D30.1@80.495,47.9 ; v2(80.85,73.95) U12.6@83.025,73.95 ; C21.2@82,82.825 83.585,82.825 C22.1@84,82.41 84.225,82.635 U13.2@86.175,82.635 ; v2(89.7,30.8) D32.1@89.7,32.11 ; v2(90.5,30.8) D32.1@90.5,32.11 ; v2(91.3,30.8) D32.1@91.3,32.11 ; D31.1@91.505,47.1 v2(92.815,47.1) ; D31.1@91.505,47.9 v2(92.815,47.9) ; v2(93.1,54.215) D33.1@93.1,55.525 ; v2(93.9,54.215) D33.1@93.9,55.525 ; v2(94.7,30.8) D34.1@94.7,32.11 ; v2(95.5,30.8) D34.1@95.5,32.11 ; v2(96.3,30.8) D34.1@96.3,32.11 ; v2(97.1,54.215) D35.1@97.1,55.525 ; v2(97.9,54.215) D35.1@97.9,55.525 ; v2(98.185,47.1) D36.1@99.495,47.1 ; v2(98.185,47.9) D36.1@99.495,47.9 ; D37.1@110.505,47.1 v2(111.815,47.1) ; D37.1@110.505,47.9 v2(111.815,47.9) ; v2(112.1,54.215) D39.1@112.1,55.525 ; v2(112.2,30.8) D38.1@112.2,32.11 ; v2(112.9,54.215) D39.1@112.9,55.525 ; v2(113,30.8) D38.1@113,32.11 ; v2(113.8,30.8) D38.1@113.8,32.11
  Top Layer w1: CA2.1@38.35,67.8 CA2.2@38.35,68.6 CA2.3@38.35,69.4 CA2.4@38.35,70.2 CA3.1@38.35,71.8 CA3.2@38.35,72.6 CA3.3@38.35,73.4 CA3.4@38.35,74.2 38.55,74 v2(40.105,74) ; v2(89.985,68) CA5.8@91.54,68 ; CA5.8@91.65,67.8 CA4.4@91.65,71.8 CA4.3@91.65,72.6 CA4.2@91.65,73.4 CA4.1@91.65,74.2
  Top Layer w2: D6.2@31,79.6 C2.1@33.782,79.6 ; C1.1@34,87.425 C3.1@37,87.425 38.95,87.425 U4.1@40.075,86.3
  other v2: 62,36.5 68,36.5 32.6,79.1 32.6,80.1 84.9,82.635 74.6,83 77,85.18 35.5,86.9 38.8,86.9 35.5,87.9 38.8,87.9 77,89 78.5,89 80,89 77,91.82
I2C_SCL: U7.25
I2C_SDA: U7.26
IN_1: D20.1 J1.14 RA7.1 RA8.16 | length 49.2
  Top Layer w0.2: RA7.1@63.25,40 63.25,40.15 v3(64.3,41.2) 63.25,42.25 RA8.16@63.25,42.4 ; D20.1@64.05,35.75 64.05,35.45 v3(64.5,35)
  Signal Layer 1 w0.2: J1.14@38.5,17.5 38.748,17.748 38.748,20.748 39.5,21.5 56,21.5 64.552,30.052 64.552,34.948 v3(64.5,35) 63.902,35.598 63.902,37.146 63.424,37.624 63.424,40.324 v3(64.3,41.2)
IN_2: D20.5 J1.22 RA7.2 RA8.15 | length 52.5
  Top Layer w0.2: RA7.2@62.75,40 62.75,40.45 v3(63.5,41.2) 62.75,41.95 RA8.15@62.75,42.4 ; v3(64,33.5) D20.5@64,34.25
  Signal Layer 1 w0.2: J1.22@38.5,14.5 37,16 37,18 38.3,19.3 38.3,20.8 39.4,21.9 55.8,21.9 64,30.1 v3(64,33.5) 63.502,33.998 63.502,36.981 63.024,37.459 63.024,40.724 v3(63.5,41.2)
IN_3: D20.4 J1.13 RA7.3 RA8.14 | length 49.6
  Top Layer w0.2: RA7.3@62.25,40 62.25,40.75 v3(62.7,41.2) 62.25,41.65 RA8.14@62.25,42.4 ; v3(63,33.5) D20.4@63,34.25
  Signal Layer 1 w0.2: J1.13@35.5,17.5 35.7,17.7 35.7,20.7 37.3,22.3 55.6,22.3 63,29.7 v3(63,33.5) 63.102,33.602 63.102,36.815 62.624,37.293 62.624,41.124 v3(62.7,41.2)
IN_4: D20.3 J1.21 RA7.4 RA8.13 | length 53.6
  Top Layer w0.2: RA7.4@61.75,40 61.75,41.05 v3(61.9,41.2) 61.75,41.35 RA8.13@61.75,42.4 ; v3(62.5,35) 62.95,35.45 D20.3@62.95,35.75
  Signal Layer 1 w0.2: J1.21@35.5,14.5 34,16 34,18 35.3,19.3 35.3,20.9 37.1,22.7 55.4,22.7 62.448,29.748 62.448,34.948 v3(62.5,35) 62.602,35.102 62.602,36.749 62.224,37.127 62.224,40.876 v3(61.9,41.2)
IN_5: D18.1 J1.12 RA7.5 RA8.12 | length 51.8
  Top Layer w0.2: D18.1@61.05,35.75 61.05,35.45 v3(61.5,35) ; RA7.5@61.25,40 61.25,41.05 v3(61.1,41.2) 61.25,41.35 RA8.12@61.25,42.4
  Signal Layer 1 w0.2: J1.12@32.5,17.5 32.7,17.7 32.7,21.2 34.6,23.1 55.2,23.1 61.552,29.452 61.552,34.948 v3(61.5,35) 61.398,35.102 61.398,36.749 61.824,37.175 61.824,40.476 v3(61.1,41.2)
IN_6: D18.5 J1.20 RA7.6 RA8.11 | length 56.1
  Top Layer w0.2: RA7.6@60.75,40 60.75,40.75 v3(60.3,41.2) 60.75,41.65 RA8.11@60.75,42.4 ; v3(61,33.5) D18.5@61,34.25
  Signal Layer 1 w0.2: J1.20@32.5,14.5 31,16 31,18 32.3,19.3 32.3,21.4 34.4,23.5 55,23.5 61,29.5 v3(61,33.5) 60.898,33.602 60.898,36.815 61.424,37.341 61.424,40.076 v3(60.3,41.2)
IN_7: D18.4 J1.11 RA7.7 RA8.10 | length 54.9
  Top Layer w0.2: v3(60,33.5) D18.4@60,34.25 ; RA7.7@60.25,40 60.25,40.45 v3(59.5,41.2) 60.25,41.95 RA8.10@60.25,42.4
  Signal Layer 1 w0.2: J1.11@29.5,17.5 29.7,17.7 29.7,22.2 31.4,23.9 54.8,23.9 60,29.1 v3(60,33.5) 60.498,33.998 60.498,36.981 61.024,37.507 61.024,39.676 v3(59.5,41.2)
IN_8: D18.3 J1.19 RA7.8 RA8.9 | length 59.7
  Top Layer w0.2: v3(59.5,35) 59.95,35.45 D18.3@59.95,35.75 ; RA7.8@59.75,40 59.75,40.15 v3(58.7,41.2) 58.7,41.35 RA8.9@59.75,42.4 RA8.9@59.75,42.25
  Signal Layer 1 w0.2: J1.19@29.5,14.5 28,16 28,18 29.3,19.3 29.3,22.366 31.234,24.3 54.604,24.3 59.448,29.144 59.448,34.948 v3(59.5,35) 60.098,35.598 60.098,37.146 60.624,37.672 60.624,39.276 v3(58.7,41.2)
IN_9: D25.1 J2.24 RA9.1 RA10.16 | length 59.7
  Top Layer w0.2: D25.1@70.05,35.75 70.05,35.45 v3(70.5,35) ; RA9.1@70.25,40.15 RA9.1@70.25,40 71.3,41.05 v3(71.3,41.2) 70.25,42.25 RA10.16@70.25,42.4
  Signal Layer 1 w0.2: v3(71.3,41.2) 69.376,39.276 69.376,37.672 69.902,37.146 69.902,35.598 v3(70.5,35) 70.552,34.948 70.552,29.048 75.2,24.4 98.666,24.4 100.7,22.366 100.7,19.3 102,18 102,16 J2.24@100.5,14.5
IN_10: D25.5 J2.16 RA9.2 RA10.15 | length 55.1
  Top Layer w0.2: RA9.2@69.75,40 69.75,40.45 v3(70.5,41.2) 69.75,41.95 RA10.15@69.75,42.4 ; v3(70,33.5) D25.5@70,34.25
  Signal Layer 1 w0.2: v3@69.898,33.602 v3(70,33.5) ; v3(70.5,41.2) 68.976,39.676 68.976,37.507 69.502,36.981 69.502,33.998 v3(70,33.5) ; J2.16@100.5,17.5 100.3,17.7 100.3,22.2 98.5,24 75,24 70,29 v3(70,33.5)
IN_11: D25.4 J2.23 RA9.3 RA10.14 | length 56.8
  Top Layer w0.2: v3(69,33.5) D25.4@69,34.25 ; RA9.3@69.25,40 69.25,40.75 v3(69.7,41.2) 69.25,41.65 RA10.14@69.25,42.4
  Signal Layer 1 w0.2: v3(69.7,41.2) 68.576,40.076 68.576,37.341 69.102,36.815 v3@69.102,33.602 ; J2.23@97.5,14.5 99,16 99,18 97.7,19.3 97.7,22.266 96.366,23.6 74.8,23.6 69,29.4 v3(69,33.5) ; v3(69,33.5) v3@69.102,33.602 ; v3(69,33.5) v3@69.102,33.602
IN_12: D25.3 J2.15 RA9.4 RA10.13 | length 52.5
  Top Layer w0.2: v3(68.5,35) 68.95,35.45 D25.3@68.95,35.75 ; RA9.4@68.75,40 68.75,41.05 v3(68.9,41.2) 68.75,41.35 RA10.13@68.75,42.4
  Signal Layer 1 w0.2: v3(68.9,41.2) 68.176,40.476 68.176,37.175 68.602,36.749 v3@68.602,35.102 ; J2.15@97.5,17.5 97.3,17.7 97.3,22.1 96.2,23.2 74.6,23.2 68.448,29.352 68.448,34.948 v3(68.5,35) ; v3(68.5,35) v3@68.602,35.102 ; v3(68.5,35) v3@68.602,35.102
IN_13: D23.1 J2.22 RA9.5 RA10.12 | length 54.5
  Top Layer w0.2: D23.1@67.05,35.75 67.05,35.45 v3(67.5,35) ; RA9.5@68.25,40 68.25,41.05 v3(68.1,41.2) 68.25,41.35 RA10.12@68.25,42.4
  Signal Layer 1 w0.2: v3(68.1,41.2) 67.776,40.876 67.776,37.127 67.398,36.749 v3@67.398,35.102 ; J2.22@94.5,14.5 96,16 96,18 94.7,19.3 94.7,22.066 93.966,22.8 74.4,22.8 67.552,29.648 67.552,34.948 v3(67.5,35) ; v3@67.398,35.102 v3(67.5,35) ; v3@67.398,35.102 v3(67.5,35)